# Altium PCB ProPatch Main.PcbDoc
Units mil, origin at the board's own origin, x right, y up, seen from the top; angles counter-clockwise.
Board outline 1566 x 3765 mil, 2 copper layers (Top Layer, Bottom Layer), stack 62.192 mil thick; 28 components, 29 nets, 112 pads, 0 vias.
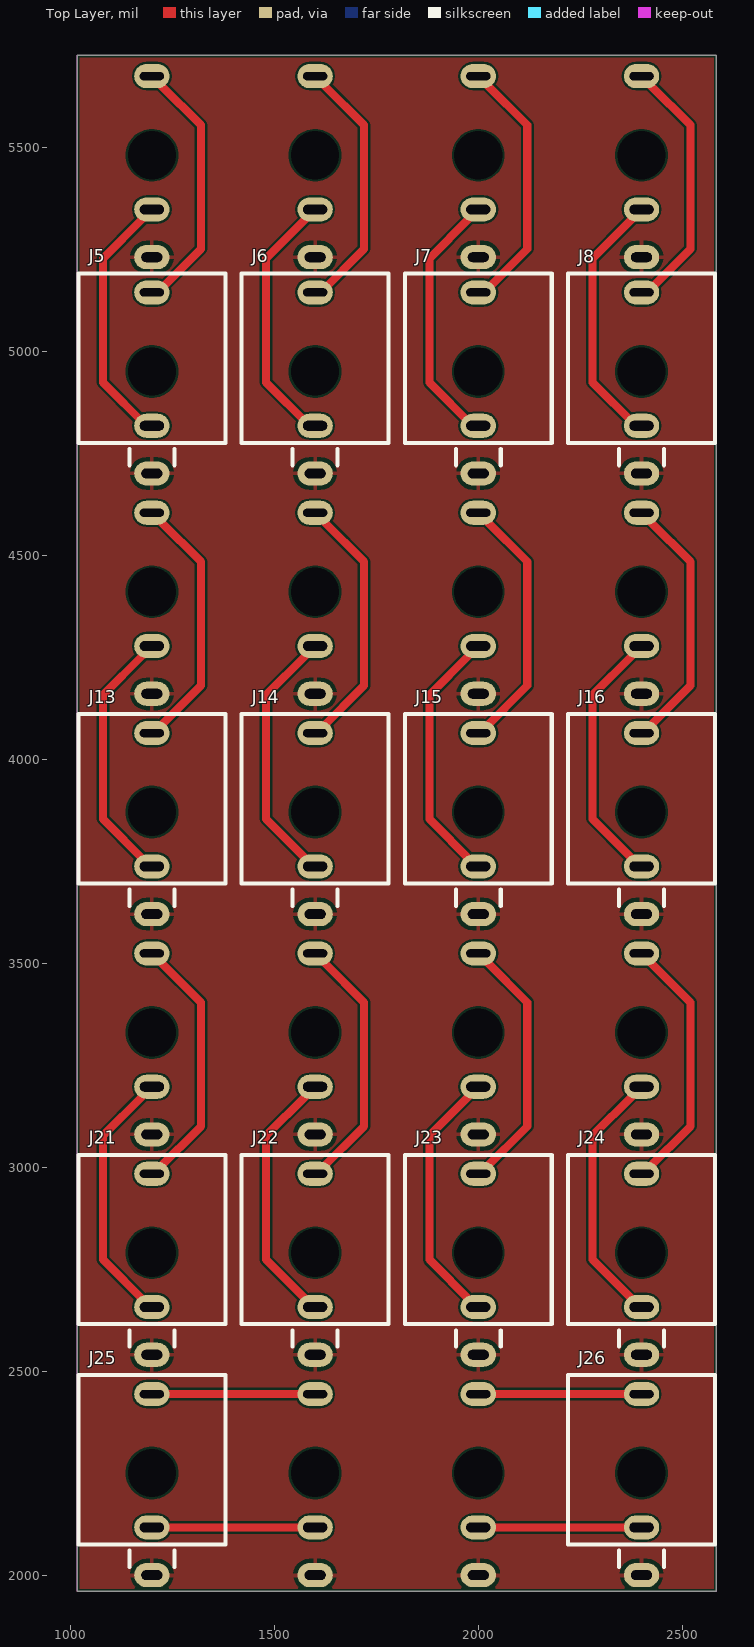
[diagram p0: Top Layer view]
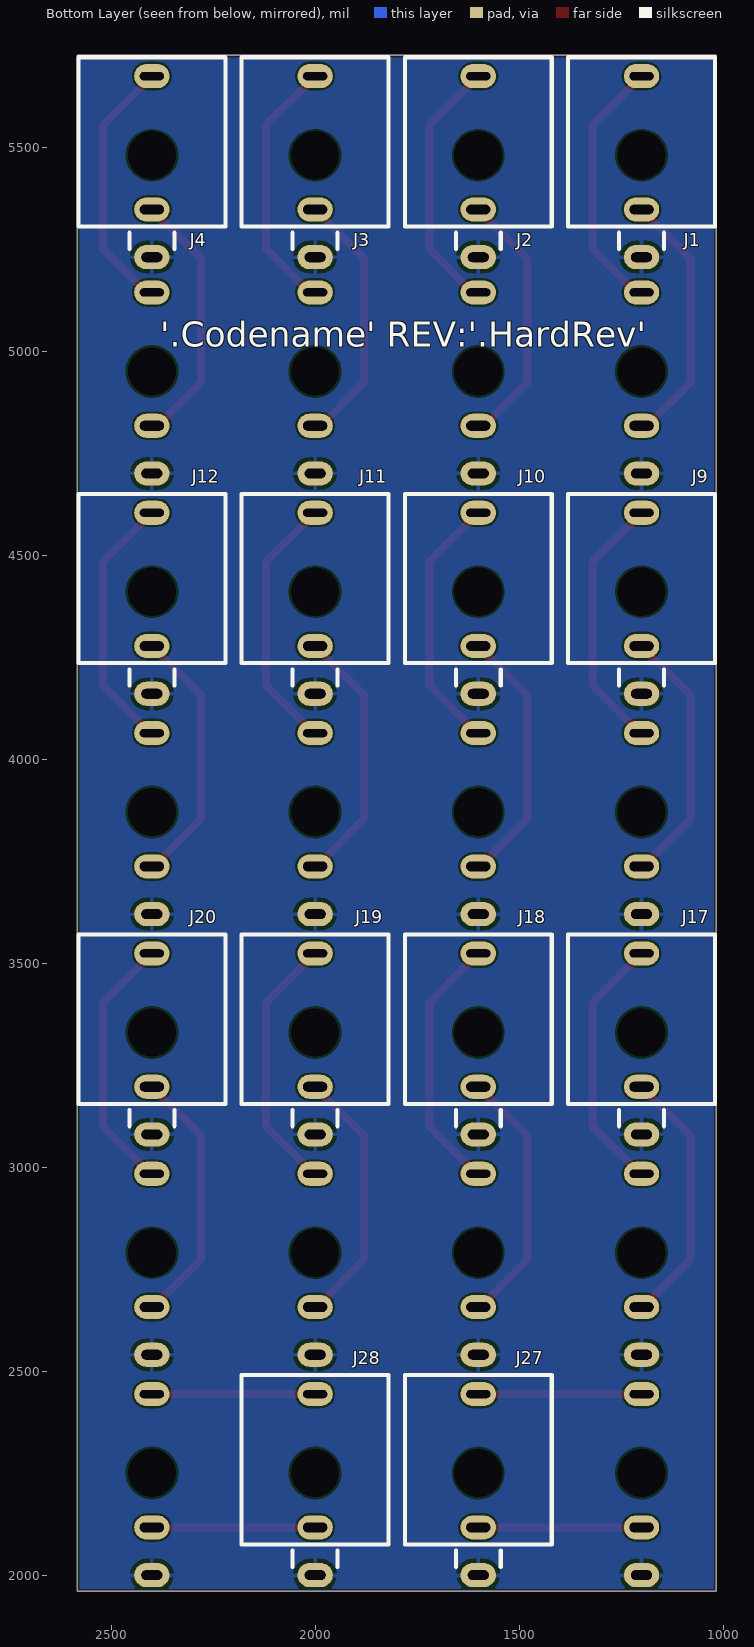
[diagram p1: Bottom Layer view, seen from below]
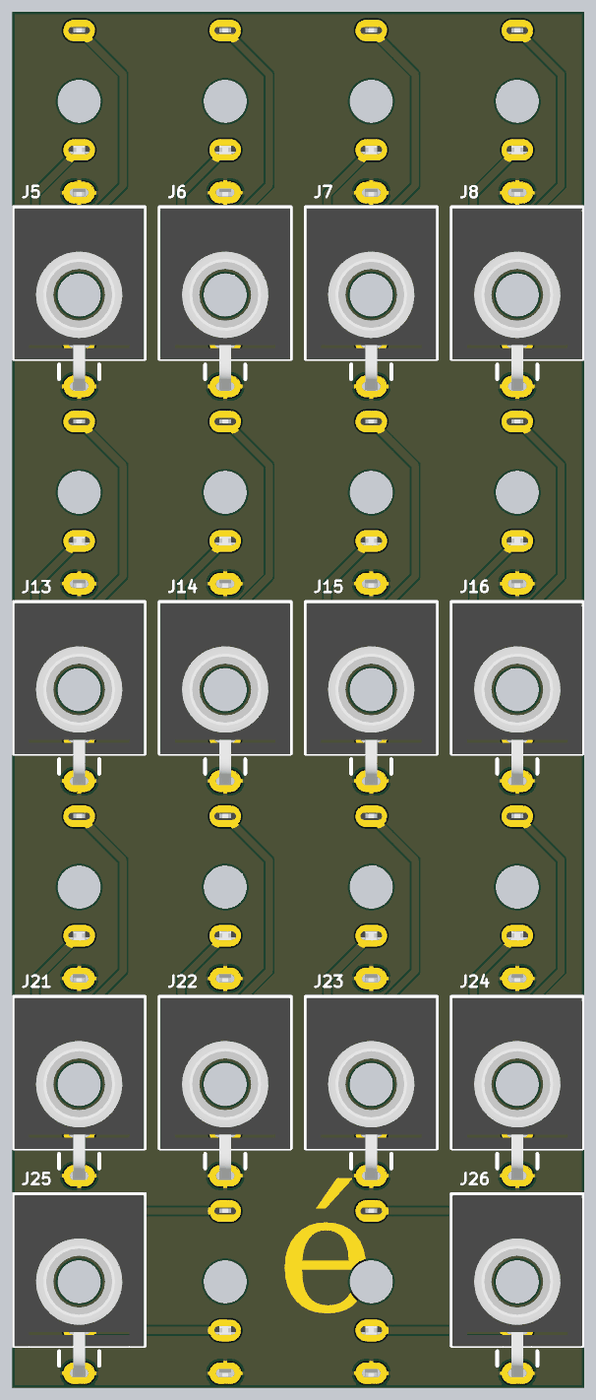
[diagram p2: 3D render of the assembled board from above, using the file's embedded part models]
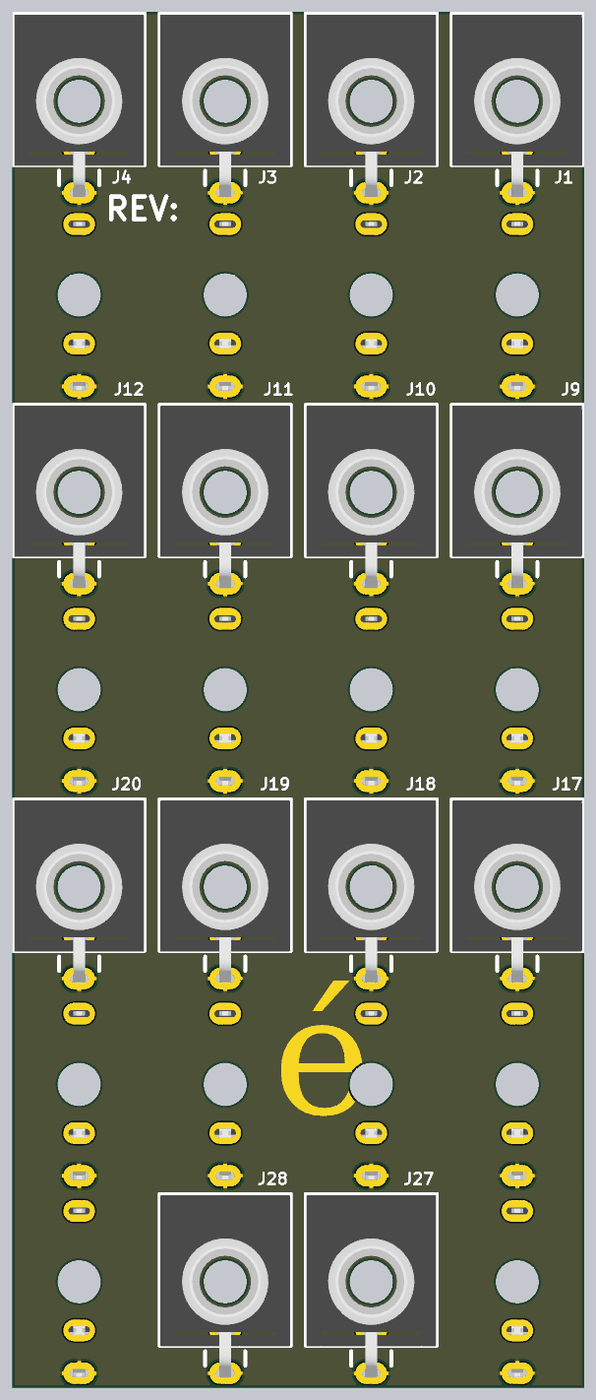
[diagram p3: 3D render of the assembled board from below, using the file's embedded part models]

## Layer stack, top to bottom
Top Solder: solder mask 0.4, Solder Resist, Dk 3.5
Top Layer: signal copper 1.4
Dielectric 1: dielectric 59.3921, FR-4, Dk 4.8
Bottom Layer: signal copper 1.4
Bottom Solder: solder mask 0.4, Solder Resist, Dk 3.5

## Board outline
1017,1960 1017,5725 2583,5725 2583,1960

## Design rules (kind name [scope] priority, off if disabled: settings)
Clearance [All] p1: gap=5 ignorepadtopadclearanceinfootprint=TRUE
HoleSize [All] p1: absolutevalues=TRUE maxlimit=39330.71 minlimit=1 maxpercent=80.000 minpercent=20.000
PolygonConnect [All] p1: connectstyle=Relief reliefconductorwidth=10 reliefentries=4 polygonreliefangle="90 Angle" airgapwidth=10
RoutingVias [All] p1: holewidth=28 width=50 viastyle="Through Hole" minholewidth=28 minwidth=50 maxholewidth=28 maxwidth=50
SilkToSilkClearance [All] p1: silktosilkclearance=1
SilkToSolderMaskClearance [IsPad] p1: minsilkscreentomaskgap=1 clearancetoexposedcopper=TRUE
SolderMaskExpansion [All] p1: expansion=4 istentingtop=FALSE
SupplyNets "Schematic Supply Nets" [InNet('GND')] p1: voltage=0.000
Width [All] p1: maxlimit=99999 minlimit=5 preferedwidth=10
27 further rules are at their usual default settings.

## Components (designator, comment, footprint, x,y, rotation, side; value= is the part's Value field where it differs from the comment)
J1 "WQP-WQP518MA" PJ301M-12 1200,5480 r180 bottom
J2 "WQP-WQP518MA" PJ301M-12 1600,5480 r180 bottom
J3 "WQP-WQP518MA" PJ301M-12 2000,5480 r180 bottom
J4 "WQP-WQP518MA" PJ301M-12 2400,5480 r180 bottom
J5 "WQP-WQP518MA" PJ301M-12 1200,4950 r0 top
J6 "WQP-WQP518MA" PJ301M-12 1600,4950 r0 top
J7 "WQP-WQP518MA" PJ301M-12 2000,4950 r0 top
J8 "WQP-WQP518MA" PJ301M-12 2400,4950 r0 top
J9 "WQP-WQP518MA" PJ301M-12 1200,4410 r180 bottom
J10 "WQP-WQP518MA" PJ301M-12 1600,4410 r180 bottom
J11 "WQP-WQP518MA" PJ301M-12 2000,4410 r180 bottom
J12 "WQP-WQP518MA" PJ301M-12 2400,4410 r180 bottom
J13 "WQP-WQP518MA" PJ301M-12 1200,3870 r0 top
J14 "WQP-WQP518MA" PJ301M-12 1600,3870 r0 top
J15 "WQP-WQP518MA" PJ301M-12 2000,3870 r0 top
J16 "WQP-WQP518MA" PJ301M-12 2400,3870 r0 top
J17 "WQP-WQP518MA" PJ301M-12 1200,3330 r180 bottom
J18 "WQP-WQP518MA" PJ301M-12 1600,3330 r180 bottom
J19 "WQP-WQP518MA" PJ301M-12 2000,3330 r180 bottom
J20 "WQP-WQP518MA" PJ301M-12 2400,3330 r180 bottom
J21 "WQP-WQP518MA" PJ301M-12 1200,2790 r0 top
J22 "WQP-WQP518MA" PJ301M-12 1600,2790 r0 top
J23 "WQP-WQP518MA" PJ301M-12 2000,2790 r0 top
J24 "WQP-WQP518MA" PJ301M-12 2400,2790 r0 top
J25 "WQP-WQP518MA" PJ301M-12 1200,2250 r0 top
J26 "WQP-WQP518MA" PJ301M-12 2400,2250 r0 top
J27 "WQP-WQP518MA" PJ301M-12 1600,2250 r180 bottom
J28 "WQP-WQP518MA" PJ301M-12 2000,2250 r180 bottom

## Footprints (in the part's own frame and the unit in brackets; to place one, negate y for a bottom-side part, rotate by r counter-clockwise, add the part's x,y. Pads: shape width x height; smd on the part's side, far side on the other; paste and mask are expansions set on the pad)
PJ301M-12 [mm] "Moddeled after QingPu WQP-WQP518MA"
  round 0.025 hole 3 unplated: 0(0,0)
  oval 2.2x1.5 hole 0.6 slot 1.3 at 0 deg: 1(0,-6.35)
  oval 2.2x1.5 hole 0.6 slot 1.5 at 0 deg: 2(0,-3.38)
  oval 2.2x1.5 hole 0.5 slot 1.5 at 0 deg: 3(0,4.92)
  silkscreen extent -4.57,-5.84 4.57,6.1, body extent -4.5,-6.62 4.5,6.01, height 14.52

## Part data
J1 J2 J3 J4 J5 J6 J7 J8 J9 J10 J11 J12 J13 J14 J15 J16 J17 J18 J19 J20 J21 J22 J23 J24 J25 J26 J27 J28: "CONN 3.5mm VIRTICAL MONO w/ NORMAL", Manufacturer=QingPu, HelpURL=http://www.qingpu-electronics.com/en/products/WQP-PJ398SM-362.html, Manufacturer Part Number=WQP-WQP518MA, PartNumber=WQP-WQP518MA, Supplier 1=QingPu, Supplier Part Number 1=WQP-WQP518MA

## Nets (pads, with @x,y where several pads share a name; then routed paths per layer and width w, separated by ;. In a path a pad name is that pad's centre, name@x,y a point inside that pad or via, vN(x,y) a via of type N, cw(c..) or ccw(c..) an arc to the next point about the centre after c; other vN are vias at no path point)
GND: J1.1 J2.1 J3.1 J4.1 J5.1 J6.1 J7.1 J8.1 J9.1 J10.1 J11.1 J12.1 J13.1 J14.1 J15.1 J16.1 J17.1 J18.1 J19.1 J20.1 J21.1 J22.1 J23.1 J24.1 J25.1 J26.1 J27.1 J28.1
NetJ1_2: J1.2 J5.2 | length 639.4
  Top Layer w20: J5.2 1186.22,4816.93 1080,4923.15 1080,5226.93 1178.75,5325.68 1178.75,5328.89 1196.79,5346.93 J1.2
NetJ1_3: J1.3 J5.3 | length 639.4
  Top Layer w20: J5.3 1213.78,5143.7 1320,5249.92 1320,5553.7 1221.25,5652.45 1221.25,5655.66 1203.21,5673.7 J1.3
NetJ2_2: J2.2 J6.2 | length 639.4
  Top Layer w20: J6.2 1586.22,4816.93 1480,4923.15 1480,5226.93 1578.75,5325.68 1578.75,5328.89 1596.79,5346.93 J2.2
NetJ2_3: J2.3 J6.3 | length 639.4
  Top Layer w20: J6.3 1613.78,5143.7 1720,5249.92 1720,5553.7 1621.25,5652.45 1621.25,5655.66 1603.21,5673.7 J2.3
NetJ3_2: J3.2 J7.2 | length 639.4
  Top Layer w20: J7.2 1986.22,4816.93 1880,4923.15 1880,5226.93 1978.75,5325.68 1978.75,5328.89 1996.79,5346.93 J3.2
NetJ3_3: J3.3 J7.3 | length 639.4
  Top Layer w20: J7.3 2013.78,5143.7 2120,5249.92 2120,5553.7 2021.25,5652.45 2021.25,5655.66 2003.21,5673.7 J3.3
NetJ4_2: J4.2 J8.2 | length 639.4
  Top Layer w20: J8.2 2386.22,4816.93 2280,4923.15 2280,5226.93 2378.75,5325.68 2378.75,5328.89 2396.79,5346.93 J4.2
NetJ4_3: J4.3 J8.3 | length 639.4
  Top Layer w20: J8.3 2413.78,5143.7 2520,5249.92 2520,5553.7 2421.25,5652.45 2421.25,5655.66 2403.21,5673.7 J4.3
NetJ9_2: J9.2 J13.2 | length 639.4
  Top Layer w20: J13.2@1200,3746.93 1186.22,3746.93 1080,3853.15 1080,4156.93 1178.75,4255.68 1178.75,4258.89 1196.79,4276.93 J9.2
NetJ9_3: J9.3 J13.3 | length 639.4
  Top Layer w20: J13.3@1200,4073.7 1213.78,4073.7 1320,4179.92 1320,4483.7 1221.25,4582.45 1221.25,4585.66 1203.21,4603.7 J9.3
NetJ10_2: J10.2 J14.2 | length 639.4
  Top Layer w20: J14.2@1600,3746.93 1586.22,3746.93 1480,3853.15 1480,4156.93 1578.75,4255.68 1578.75,4258.89 1596.79,4276.93 J10.2
NetJ10_3: J10.3 J14.3 | length 639.4
  Top Layer w20: J14.3@1600,4073.7 1613.78,4073.7 1720,4179.92 1720,4483.7 1621.25,4582.45 1621.25,4585.66 1603.21,4603.7 J10.3
NetJ11_2: J11.2 J15.2 | length 639.4
  Top Layer w20: J15.2@2000,3746.93 1986.22,3746.93 1880,3853.15 1880,4156.93 1978.75,4255.68 1978.75,4258.89 1996.79,4276.93 J11.2
NetJ11_3: J11.3 J15.3 | length 639.4
  Top Layer w20: J15.3@2000,4073.7 2013.78,4073.7 2120,4179.92 2120,4483.7 2021.25,4582.45 2021.25,4585.66 2003.21,4603.7 J11.3
NetJ12_2: J12.2 J16.2 | length 639.4
  Top Layer w20: J16.2@2400,3746.93 2386.22,3746.93 2280,3853.15 2280,4156.93 2378.75,4255.68 2378.75,4258.89 2396.79,4276.93 J12.2
NetJ12_3: J12.3 J16.3 | length 639.4
  Top Layer w20: J16.3@2400,4073.7 2413.78,4073.7 2520,4179.92 2520,4483.7 2421.25,4582.45 2421.25,4585.66 2403.21,4603.7 J12.3
NetJ17_2: J17.2 J21.2 | length 639.4
  Top Layer w20: J21.2@1200,2666.93 1186.22,2666.93 1080,2773.15 1080,3076.93 1178.75,3175.68 1178.75,3178.89 1196.79,3196.93 J17.2
NetJ17_3: J17.3 J21.3 | length 639.4
  Top Layer w20: J21.3@1200,2993.7 1213.78,2993.7 1320,3099.92 1320,3403.7 1221.25,3502.45 1221.25,3505.66 1203.21,3523.7 J17.3
NetJ18_2: J18.2 J22.2 | length 639.4
  Top Layer w20: J22.2@1600,2666.93 1586.22,2666.93 1480,2773.15 1480,3076.93 1578.75,3175.68 1578.75,3178.89 1596.79,3196.93 J18.2
NetJ18_3: J18.3 J22.3 | length 639.4
  Top Layer w20: J22.3@1600,2993.7 1613.78,2993.7 1720,3099.92 1720,3403.7 1621.25,3502.45 1621.25,3505.66 1603.21,3523.7 J18.3
NetJ19_2: J19.2 J23.2 | length 639.4
  Top Layer w20: J23.2@2000,2666.93 1986.22,2666.93 1880,2773.15 1880,3076.93 1978.75,3175.68 1978.75,3178.89 1996.79,3196.93 J19.2
NetJ19_3: J19.3 J23.3 | length 639.4
  Top Layer w20: J23.3@2000,2993.7 2013.78,2993.7 2120,3099.92 2120,3403.7 2021.25,3502.45 2021.25,3505.66 2003.21,3523.7 J19.3
NetJ20_2: J20.2 J24.2 | length 639.4
  Top Layer w20: J24.2@2400,2666.93 2386.22,2666.93 2280,2773.15 2280,3076.93 2378.75,3175.68 2378.75,3178.89 2396.79,3196.93 J20.2
NetJ20_3: J20.3 J24.3 | length 639.4
  Top Layer w20: J24.3@2400,2993.7 2413.78,2993.7 2520,3099.92 2520,3403.7 2421.25,3502.45 2421.25,3505.66 2403.21,3523.7 J20.3
NetJ25_2: J25.2 J27.2 | length 400
  Top Layer w20: J25.2 J27.2
NetJ25_3: J25.3 J27.3 | length 400
  Top Layer w20: J25.3 J27.3
NetJ26_2: J26.2 J28.2 | length 400
  Top Layer w20: J28.2 J26.2
NetJ26_3: J26.3 J28.3 | length 400
  Top Layer w20: J28.3 J26.3
pads on no net: J1.0 J2.0 J3.0 J4.0 J5.0 J6.0 J7.0 J8.0 J9.0 J10.0 J11.0 J12.0 J13.0 J14.0 J15.0 J16.0 J17.0 J18.0 J19.0 J20.0 J21.0 J22.0 J23.0 J24.0 J25.0 J26.0 J27.0 J28.0

## Polygon pours and split planes (outlines as drawn)
GND on Top Layer "GND_L01_P000" (solid, remove dead copper, pour order 0): 1020,5720 2580,5720 2580,1960 1020,1960
GND on Bottom Layer "GND_L02_P001" (solid, remove dead copper, pour order 1): 1020,5720 2580,5720 2580,1960 1020,1960

## Keep-outs
Keep-Out Layer:
  the board outline again, w1.97

## Silkscreen, mask and mechanical layers (free items; w line width, h text height)
Bottom Overlay:
  text "'.Codename' REV:'.HardRev'" at 2380,5010 h62
Top Solder:
  text "é" at 1740,2170 h650
Bottom Solder:
  text "é" at 1870,2710 h650
Mechanical 1:
  the board outline again, w1.97
Mechanical 2:
  lines w1.97: 1350,3625 1450,3625 ; 1400,3644.02 1400,3744.02 ; 1000,1000 1000,6250 2600,6250 2600,1000 1000,1000 ; 1007,1085 ccw(c1012,1085) 1012,1080 2588,1080 ccw(c2588,1085) 2593,1085 2593,6135 ccw(c2588,6135) 2588,6140 1012,6140 ccw(c1012,6135) 1007,6135 1007,1085 ; 1017,1525 2583,1525 2583,5725 1017,5725 1017,1525